# Altium PCB PCB_Emergencia.PcbDoc
Units mm, origin at the board's own origin, x right, y up, seen from the top; angles counter-clockwise.
Board outline 64.01 x 70.1 mm, 2 copper layers (Top Layer, Bottom Layer); 72 components, 52 nets, 238 pads, 47 vias.
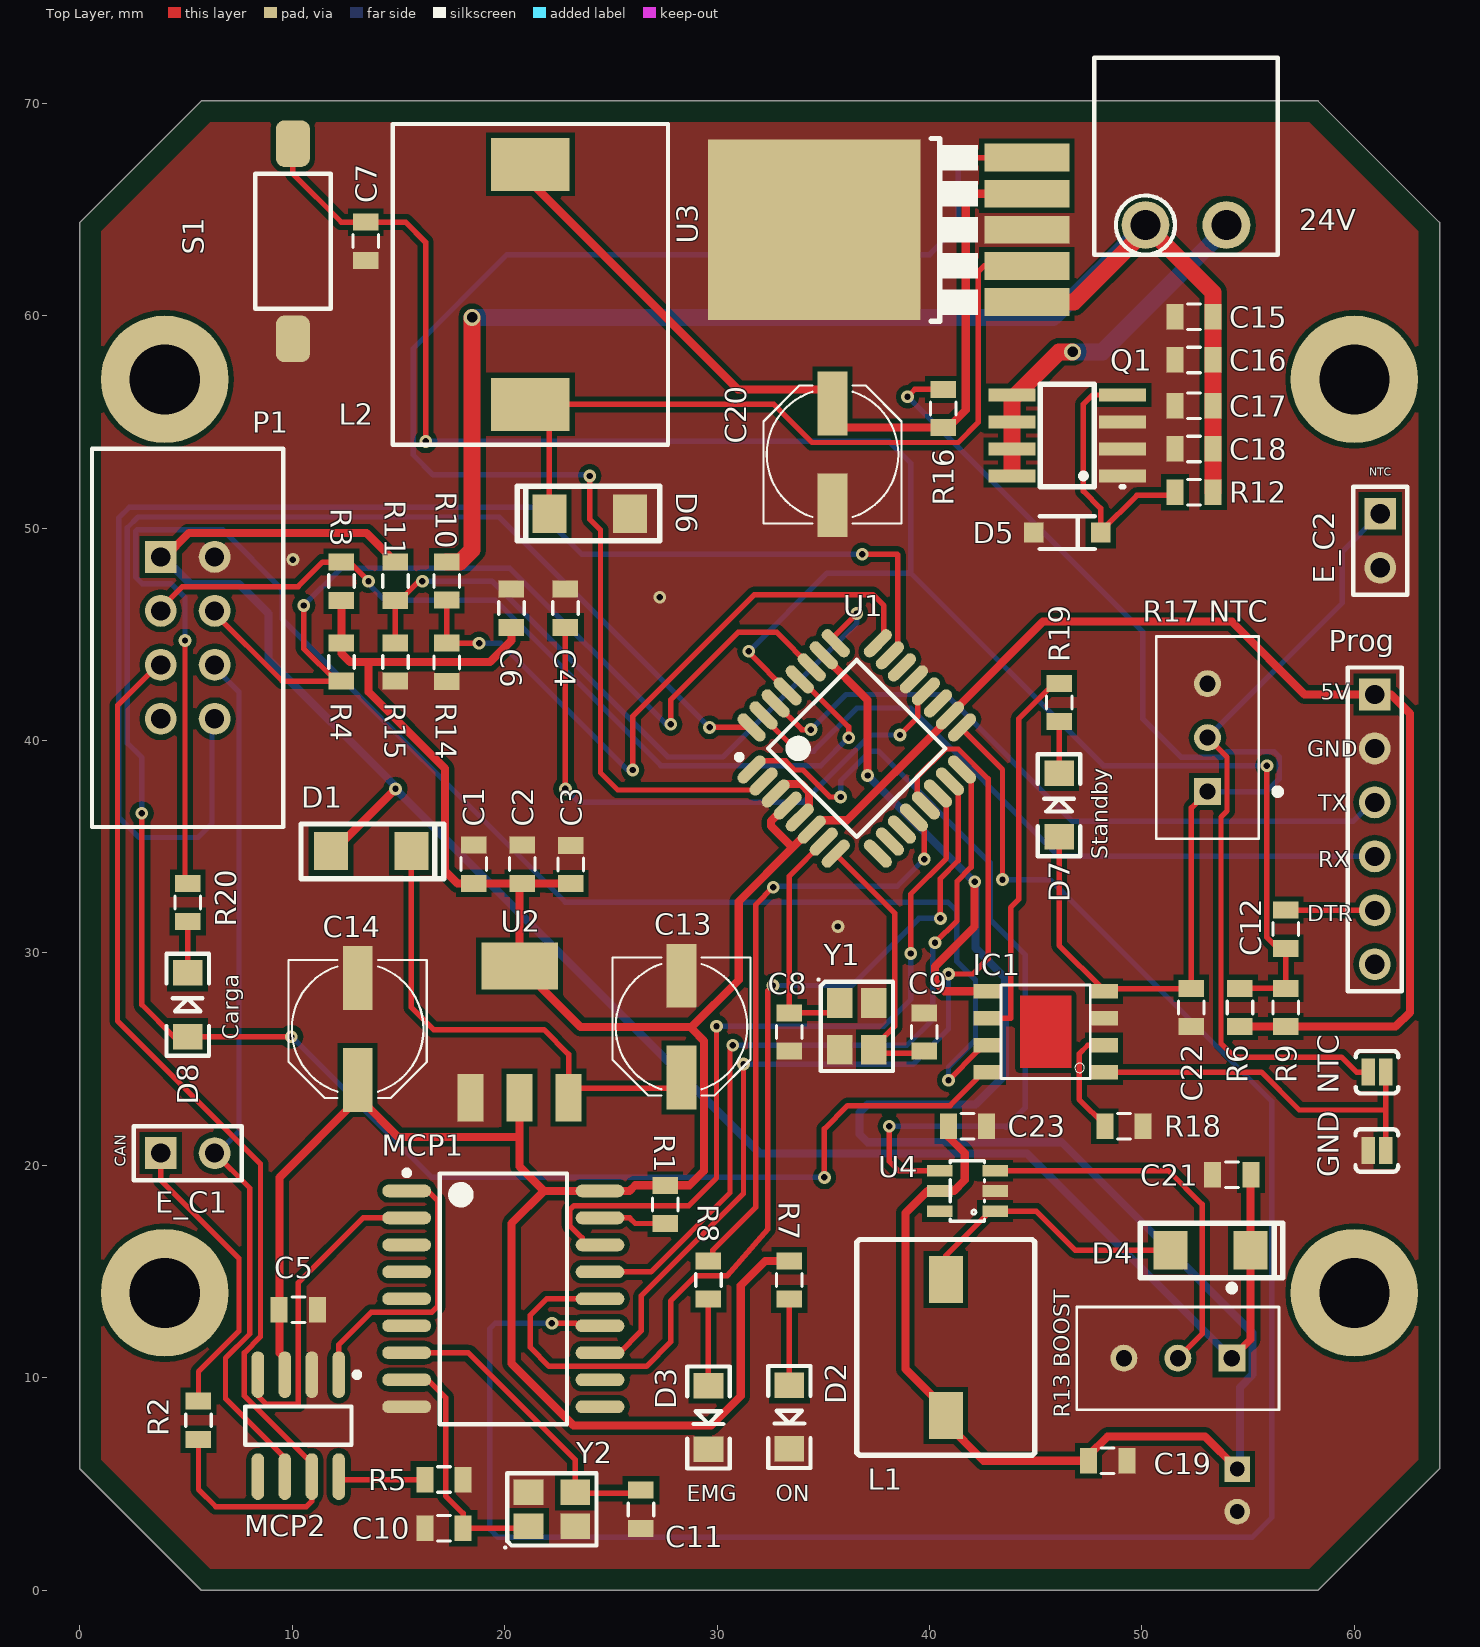
[diagram p0: Top Layer view]
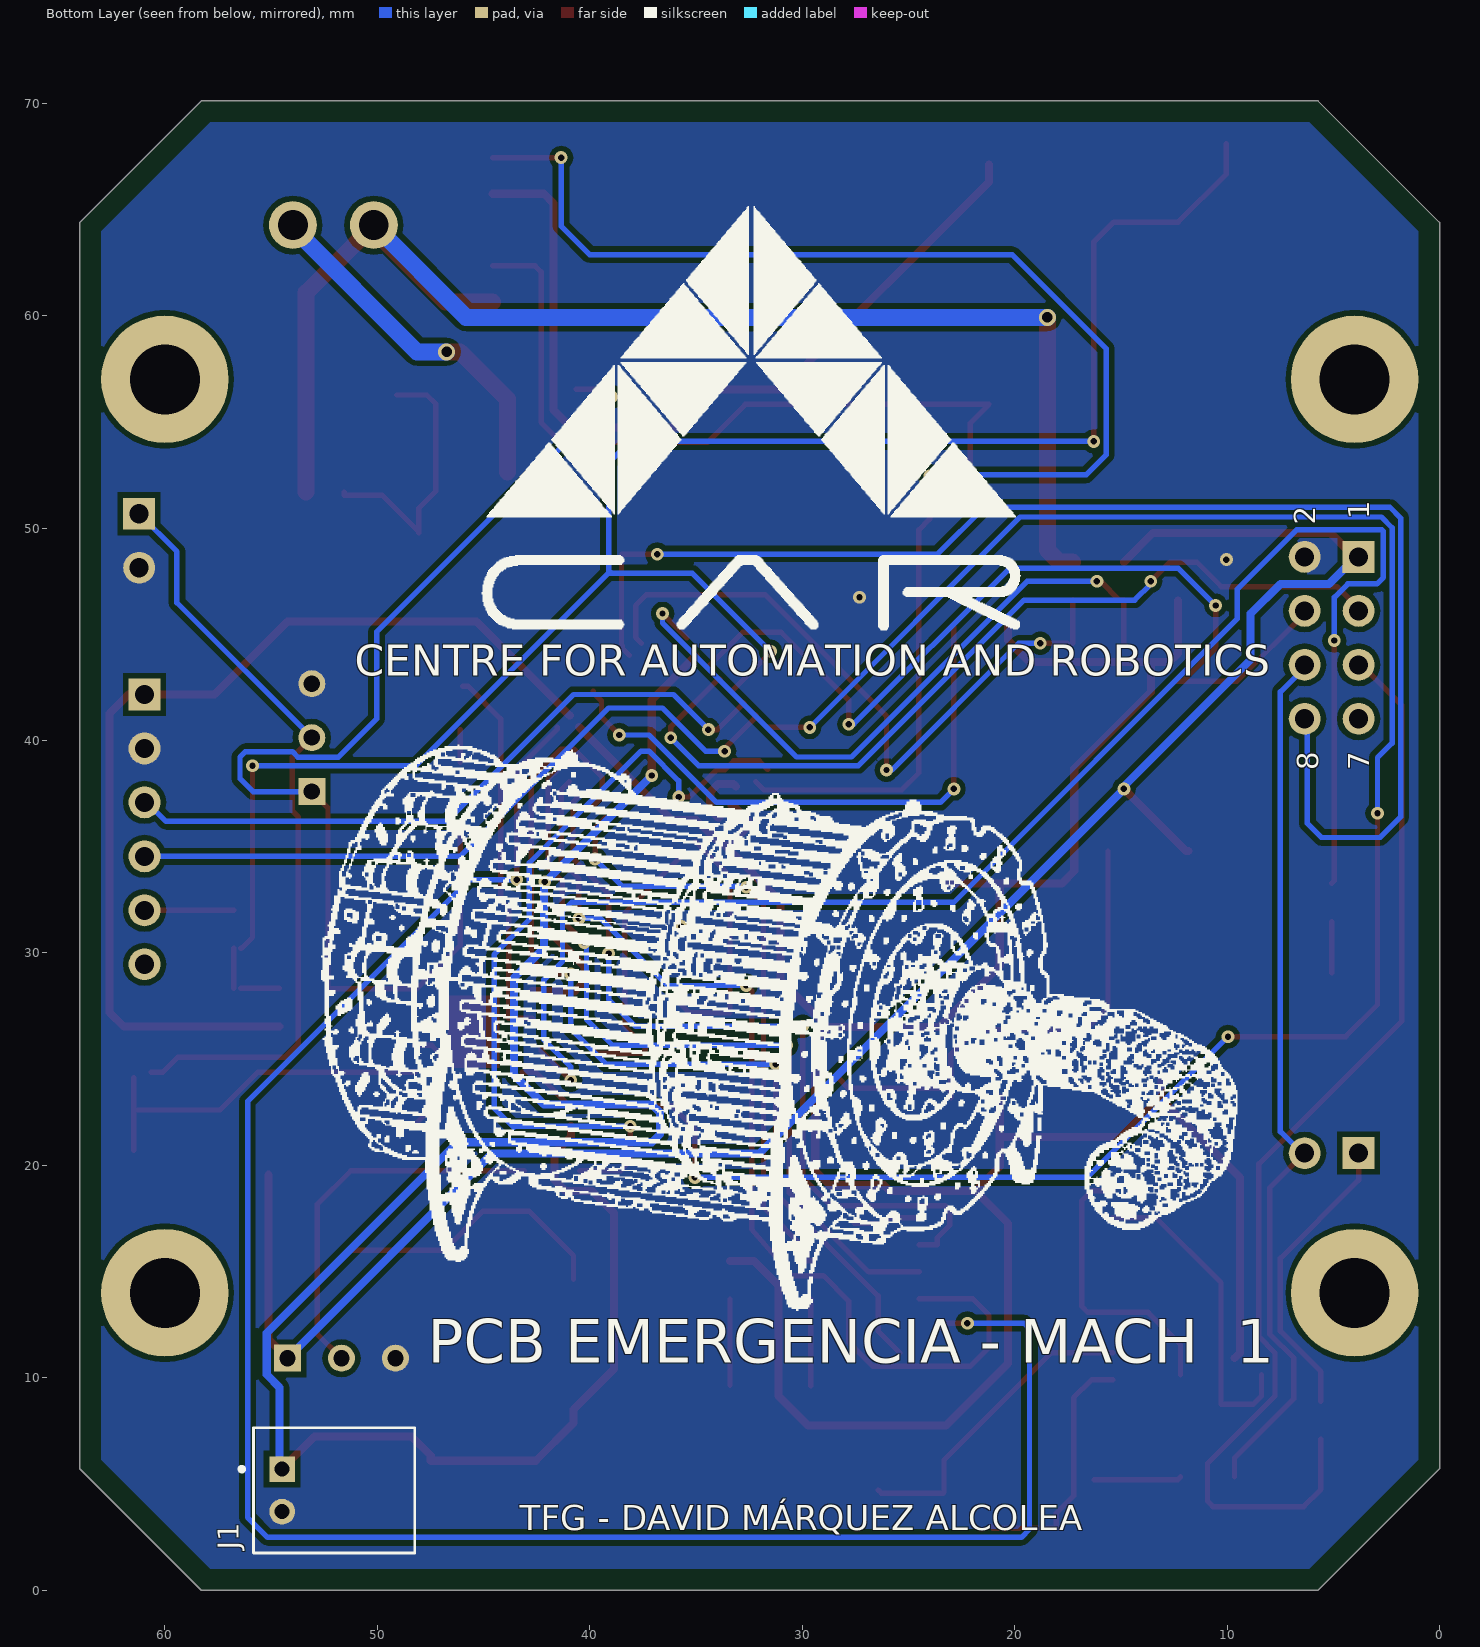
[diagram p1: Bottom Layer view, seen from below]
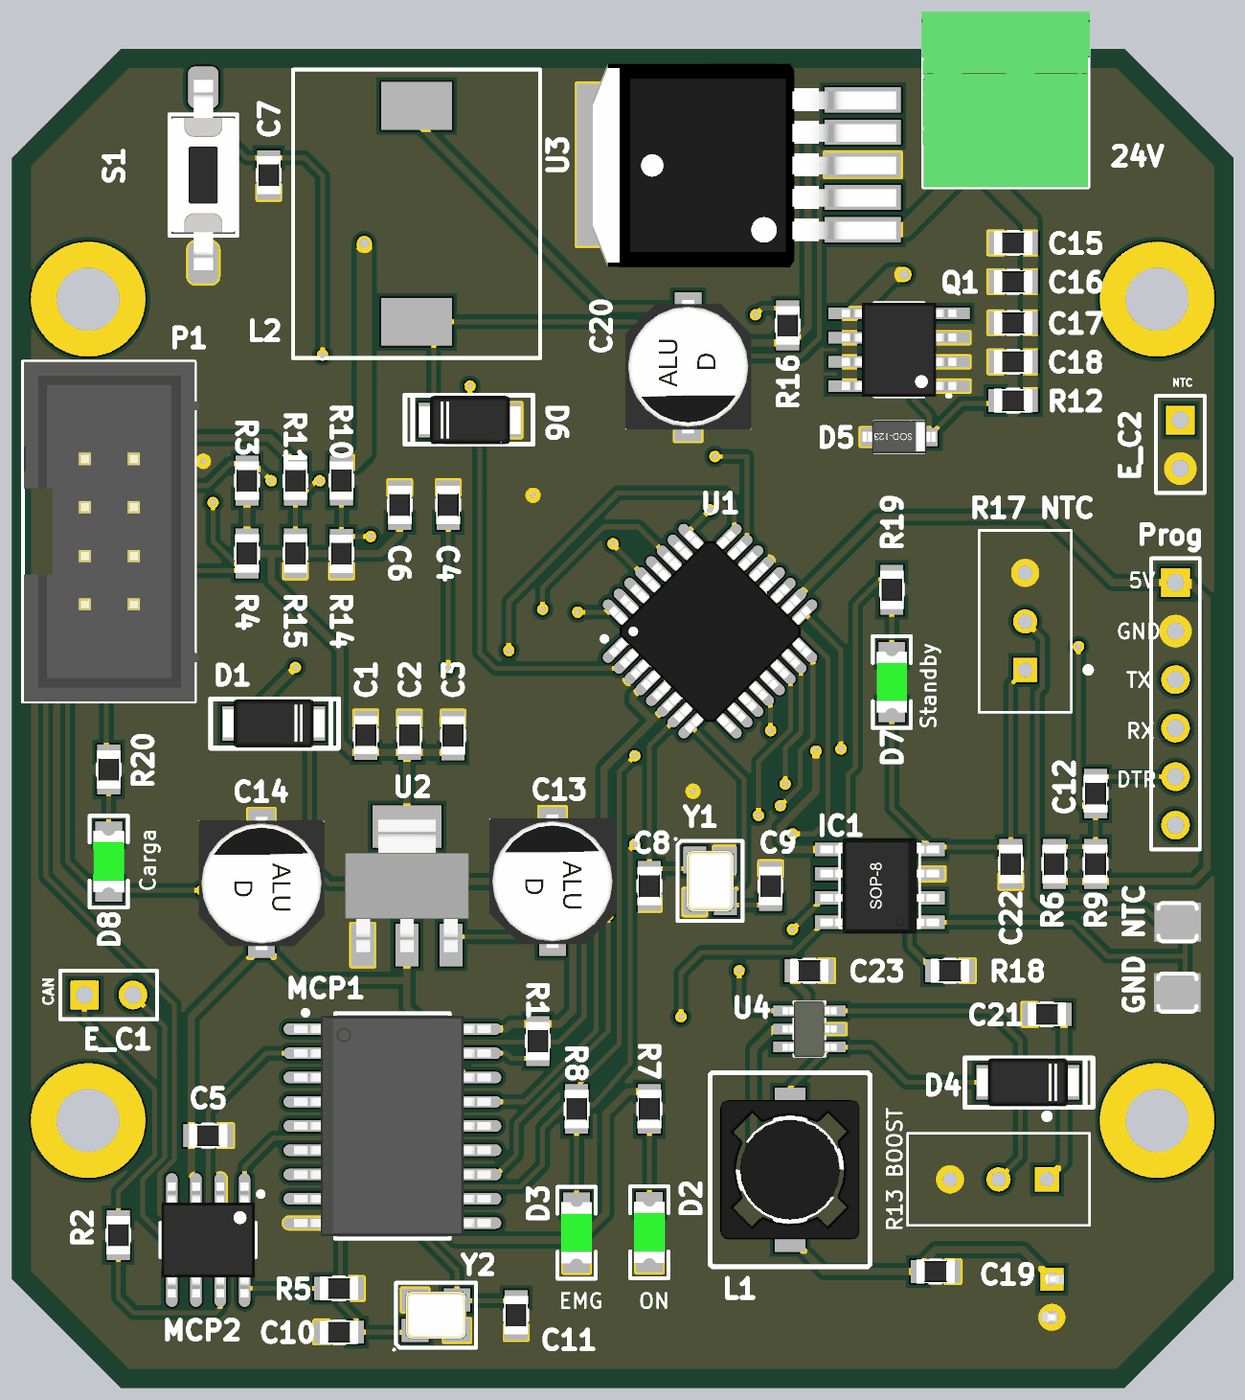
[diagram p2: 3D render of the assembled board from above, using the file's embedded part models]

## Layer stack, top to bottom
Top Solder: solder mask 0.0102, Solder Resist, Dk 3.5
Top Layer: signal copper 0.0356
Dielectric 1: dielectric 0.32, FR-4, Dk 4.8
Bottom Layer: signal copper 0.0356
Bottom Solder: solder mask 0.0102, Solder Resist, Dk 3.5

## Board outline
0,5.715 5.715,0 58.293,0 64.008,5.715 64.008,64.389 58.293,70.104 5.715,70.104 0,64.389

## Design rules (kind name [scope] priority, off if disabled: settings)
BoardOutlineClearance [All] p1: gap=1 ignorepadtopadclearanceinfootprint=FALSE
Clearance Clearance_2 [InNamedPolygon('GND TOP PLANE')] p1: gap=0.254 ignorepadtopadclearanceinfootprint=FALSE except(0: Arc-Hole Track-Hole SMDPad-Hole THPad-Hole Via-Hole Fill-Hole Poly-Hole Region-Hole Text-Hole)
Clearance Clearance_1 [InNamedPolygon('GND BOTTOM PLANE')] p2: gap=0.254 ignorepadtopadclearanceinfootprint=FALSE except(0: Arc-Hole Track-Hole SMDPad-Hole THPad-Hole Via-Hole Fill-Hole Poly-Hole Region-Hole Text-Hole)
Clearance Clearance_POWER [InNet('24V') vs InNet('GND')] p3: gap=0.381 ignorepadtopadclearanceinfootprint=FALSE
Clearance [All] p4: gap=0.152 ignorepadtopadclearanceinfootprint=FALSE
HoleSize [All] p1: absolutevalues=TRUE maxlimit=6.3 minlimit=0.3 maxpercent=80.000 minpercent=20.000
PlaneClearance [All] p1: clearance=5.016
PlaneConnect [All] p1: planeconnectstyle=Relief reliefexpansion=0.508 reliefentries=4 reliefconductorwidth=0.381 reliefairgap=-0.05
PolygonConnect [All] p1: connectstyle=Relief reliefconductorwidth=0.254 reliefentries=4 polygonreliefangle="90 Angle" airgapwidth=-0.05
RoutingVias RoutingVias_24V [InNet('24V')] p1: holewidth=0.5 width=0.8 viastyle="Through Hole" minholewidth=0.3 minwidth=0.6 maxholewidth=1 maxwidth=1.2
RoutingVias RoutingVias_GNDC [InNet('GNDC')] p2: holewidth=0.5 width=0.8 viastyle="Through Hole" minholewidth=0.3 minwidth=0.6 maxholewidth=1 maxwidth=1.2
RoutingVias [All] p3: holewidth=0.3 width=0.6 viastyle="Through Hole" minholewidth=0.3 minwidth=0.6 maxholewidth=1 maxwidth=1.2
SMDNeckDown [All] p1: percent=150.000
SolderMaskExpansion [All] p1: expansion=0.102
Width Width_24V [InNet('24V')] p1: maxlimit=0.889 minlimit=0.7 preferedwidth=0.8
Width Width_GNDC [InNet('GNDC')] p2: maxlimit=0.889 minlimit=0.6 preferedwidth=0.8
Width Width_GND [InNet('GND')] p3: maxlimit=0.508 minlimit=0.254 preferedwidth=0.381 checkconnectedcopper=TRUE
Width Width_9V [InNet('9V')] p4: maxlimit=0.508 minlimit=0.254 preferedwidth=0.381 checkconnectedcopper=TRUE
Width Width_5V [InNet('5V')] p5: maxlimit=0.381 minlimit=0.254 preferedwidth=0.381 checkconnectedcopper=TRUE
Width Width_3.7V [InNet('BAT')] p6: maxlimit=0.381 minlimit=0.254 preferedwidth=0.381 checkconnectedcopper=TRUE
Width Width_5VBuck [InNet('5VBUCK')] p7: maxlimit=0.381 minlimit=0.254 preferedwidth=0.381 checkconnectedcopper=TRUE
Width [All] p8: maxlimit=0.508 minlimit=0.254 preferedwidth=0.254
27 further rules are at their usual default settings.

## Components (designator, comment, footprint, x,y, rotation, side; value= is the part's Value field where it differs from the comment)
24V "20020110-D021A01LF" "FCI 06-381-2PIN" 52.07,67.564 r0 top (schematic designator 1)
C1 "CapacitorStandard 0603 ceramic capacitor, and 0.1\" leaded capacitor." 0805 18.542,34.174 r270 top
C2 "CapacitorStandard 0603 ceramic capacitor, and 0.1\" leaded capacitor." 0805 20.828,34.174 r270 top
C3 "CapacitorStandard 0603 ceramic capacitor, and 0.1\" leaded capacitor." 0805 23.114,34.163 r270 top
C4 "CapacitorStandard 0603 ceramic capacitor, and 0.1\" leaded capacitor." 0805 22.86,46.228 r270 top
C5 "CapacitorStandard 0603 ceramic capacitor, and 0.1\" leaded capacitor." 0805 10.287,13.208 r180 top
C6 "CapacitorStandard 0603 ceramic capacitor, and 0.1\" leaded capacitor." 0805 20.32,46.228 r270 top
C7 "CapacitorStandard 0603 ceramic capacitor, and 0.1\" leaded capacitor." 0805 13.462,63.5 r90 top
C8 "CapacitorStandard 0603 ceramic capacitor, and 0.1\" leaded capacitor." 0805 33.401,26.278 r90 top
C9 "CapacitorStandard 0603 ceramic capacitor, and 0.1\" leaded capacitor." 0805 39.751,26.278 r90 top
C10 "CapacitorStandard 0603 ceramic capacitor, and 0.1\" leaded capacitor." 0805 17.145,2.921 r0 top
C11 "CapacitorStandard 0603 ceramic capacitor, and 0.1\" leaded capacitor." 0805 26.416,3.81 r270 top
C12 "CapacitorStandard 0603 ceramic capacitor, and 0.1\" leaded capacitor." 0805 56.769,31.115 r270 top
C13 "47u" PANASONIC_D 28.321,26.53 r270 top
C14 "47u" PANASONIC_D 13.081,26.416 r270 top
C15 "CapacitorStandard 0603 ceramic capacitor, and 0.1\" leaded capacitor." 0805 52.451,59.944 r0 top
C16 "CapacitorStandard 0603 ceramic capacitor, and 0.1\" leaded capacitor." 0805 52.451,57.912 r0 top
C17 "CapacitorStandard 0603 ceramic capacitor, and 0.1\" leaded capacitor." 0805 52.451,55.753 r0 top
C18 "CapacitorStandard 0603 ceramic capacitor, and 0.1\" leaded capacitor." 0805 52.451,53.721 r0 top
C19 "CapacitorStandard 0603 ceramic capacitor, and 0.1\" leaded capacitor." 0805 48.387,6.096 r0 top
C20 "4.7u" PANASONIC_D 35.433,53.467 r90 top
C21 "CapacitorStandard 0603 ceramic capacitor, and 0.1\" leaded capacitor." 0805 54.229,19.558 r180 top
C22 "CapacitorStandard 0603 ceramic capacitor, and 0.1\" leaded capacitor." 0805 52.324,27.432 r270 top
C23 "CapacitorStandard 0603 ceramic capacitor, and 0.1\" leaded capacitor." 0805 41.783,21.844 r0 top
D1 "SS26FL" SS26FL 13.716,34.798 r180 top
D2 "LED Encendido" LED-1206 33.401,8.152 r270 top
D3 "LED Parada" LED-1206 29.591,8.128 r270 top
D4 "SS26FL" SS26FL 53.226,16.002 r180 top
D5 "13V Zener MM1Z13" SOD-123 46.482,49.784 r180 top
D6 "SS26FL" SS26FL 24.003,50.673 r0 top
D7 "LED Standby" LED-1206 46.101,36.957 r90 top
D8 "LED Carga" LED-1206 5.08,27.559 r90 top
E_C1 "Header 2" HDR1X2 3.81,20.574 r0 top
E_C2 "Header 2" HDR1X2 61.214,50.673 r270 top
GND "JUMPER-PAD-2-NC_BY_PASTE" PAD-JUMPER-2-NC_BY_PASTE_YES_SILK 61.055,20.701 r0 top (schematic designator JP2)
IC1 "TP4056" *SOP-8 45.466,26.289 r180 top
J1 "Conector JST" *JST_S2B-PH-K-S(LF)(SN) 54.483,4.699 r90 bottom
L1 "CDRH74" CDRH74 40.767,11.43 r90 top value=22uH
L2 "SMMS1360" "SMMS1360 - duplicate" 21.209,61.468 r90 top value=68uH
MCP1 "MCP2515T-I/SO" SOIC-SO18_N 19.939,13.716 r0 top
MCP2 "MCP2551T-I/SN" SOIC-SN8_N 10.287,7.747 r270 top
NTC "JUMPER-PAD-2-NC_BY_PASTE" PAD-JUMPER-2-NC_BY_PASTE_YES_SILK 61.067,24.384 r180 top (schematic designator JP1)
P1 "IDC2X4" IDC2X4 5.08,44.831 r270 top
Prog "Header 6" HDR1X6 60.96,42.164 r270 top (schematic designator Prog1)
Q1 "IRF7832TRPBF" SO-08 46.482,54.356 r90 top
R1 "ResistorBasic schematic elements and footprints for 0603, 1206, and PTH resistors." 0805 27.559,18.161 r270 top
R2 "ResistorBasic schematic elements and footprints for 0603, 1206, and PTH resistors." 0805 5.588,8.001 r90 top
R3 "ResistorBasic schematic elements and footprints for 0603, 1206, and PTH resistors." 0805 12.319,47.498 r270 top
R4 "ResistorBasic schematic elements and footprints for 0603, 1206, and PTH resistors." 0805 12.319,43.688 r90 top
R5 "ResistorBasic schematic elements and footprints for 0603, 1206, and PTH resistors." 0805 17.145,5.207 r180 top
R6 "ResistorBasic schematic elements and footprints for 0603, 1206, and PTH resistors." 0805 54.61,27.432 r270 top
R7 "ResistorBasic schematic elements and footprints for 0603, 1206, and PTH resistors." 0805 33.401,14.605 r90 top
R8 "ResistorBasic schematic elements and footprints for 0603, 1206, and PTH resistors." 0805 29.591,14.605 r90 top
R9 "ResistorBasic schematic elements and footprints for 0603, 1206, and PTH resistors." 0805 56.769,27.432 r90 top
R10 "ResistorBasic schematic elements and footprints for 0603, 1206, and PTH resistors." 0805 17.272,47.509 r90 top
R11 "ResistorBasic schematic elements and footprints for 0603, 1206, and PTH resistors." 0805 14.859,47.498 r90 top
R12 "20K" 0805 52.451,51.689 r0 top
"R13 BOOST" "3296W" 3296W 51.689,10.922 r270 top value=20k (schematic designator R13)
R14 "ResistorBasic schematic elements and footprints for 0603, 1206, and PTH resistors." 0805 17.272,43.677 r90 top
R15 "ResistorBasic schematic elements and footprints for 0603, 1206, and PTH resistors." 0805 14.859,43.688 r90 top
R16 "ResistorBasic schematic elements and footprints for 0603, 1206, and PTH resistors." 0805 40.64,55.626 r270 top
"R17 NTC" "3296W" 3296W 53.086,40.132 r180 top value=20k (schematic designator R17)
R18 "ResistorBasic schematic elements and footprints for 0603, 1206, and PTH resistors." 0805 49.149,21.844 r180 top
R19 "ResistorBasic schematic elements and footprints for 0603, 1206, and PTH resistors." 0805 46.101,41.783 r270 top
R20 "ResistorBasic schematic elements and footprints for 0603, 1206, and PTH resistors." 0805 5.08,32.374 r270 top
S1 "FSMSMTR" "TE FSMSMTR" 10.033,63.5 r0 top
U1 "ATmega328-AU" 32A_N 36.576,39.624 r45 top
U2 "NCP1117" SOT223 20.701,26.289 r0 top
U3 "LM2596S" LM2596S 34.577,64.037 r90 top
U4 "MT3608" *SOT23-6 41.783,18.796 r90 top
Y1 "16MHz" "NDK NX3225SA" 36.576,26.543 r270 top
Y2 "16MHz" "NDK NX3225SA" 22.225,3.81 r0 top

## Footprints (in the part's own frame and the unit in brackets; to place one, negate y for a bottom-side part, rotate by r counter-clockwise, add the part's x,y. Pads: shape width x height; smd on the part's side, far side on the other; paste and mask are expansions set on the pad)
32A_N [mm] "Thin QFP, 32-Leads, Body 7x7mm, Pitch 0.8mm, IPC Medium Density"
  oval 1.65x0.55 smd: 1(-4.2,2.8) 2(-4.2,2) 3(-4.2,1.2) 4(-4.2,0.4) 5(-4.2,-0.4) 6(-4.2,-1.2) 7(-4.2,-2) 8(-4.2,-2.8) 17(4.2,-2.8) 18(4.2,-2) 19(4.2,-1.2) 20(4.2,-0.4) 21(4.2,0.4) 22(4.2,1.2) 23(4.2,2) 24(4.2,2.8)
  oval 0.55x1.65 smd: 9(-2.8,-4.2) 10(-2,-4.2) 11(-1.2,-4.2) 12(-0.4,-4.2) 13(0.4,-4.2) 14(1.2,-4.2) 15(2,-4.2) 16(2.8,-4.2) 25(2.8,4.2) 26(2,4.2) 27(1.2,4.2) 28(0.4,4.2) 29(-0.4,4.2) 30(-1.2,4.2) 31(-2,4.2) 32(-2.8,4.2)
  silkscreen extent -4.32,-2.95 2.95,3.75, body extent -4.52,-4.53 4.5,4.5, height 1.15
0805 [mil]
  rect 31.5x47.24 smd: 1(-35.43,0) 2(35.43,0)
  silkscreen extent -12,-24 12,24, body extent -39,-25 39,25, height 20
3296W [mm]
  rect 1.268x1.268 hole 0.76: 1(0,2.54)
  round 1.268 hole 0.76: 2(0,0) 3(0,-2.54)
  silkscreen extent -3.4,-4.76 2.42,4.76, body extent -2.41,-4.76 2.42,4.77, height 11.55
*JST_S2B-PH-K-S(LF)(SN) [mm]
  rect 1.208x1.208 hole 0.7: 1(1,0)
  round 1.208 hole 0.7: 2(-1,0)
  silkscreen extent -2.95,-6.25 2.95,2, body extent -2.95,-6.2 2.95,1.4, height 4.8
*SOP-8 [mm]
  rect 1.3x0.7 smd: 1(-2.75,1.905) 2(-2.75,0.635) 3(-2.75,-0.635) 4(-2.75,-1.905) 5(2.75,-1.905) 6(2.75,-0.635) 7(2.75,0.635) 8(2.75,1.905)
  Top Layer region: -1.2,1.7 1.2,1.7 1.2,-1.7 -1.2,-1.7
  silkscreen extent -2.1,-2.2 2.1,2.2, body extent -3.11,-2.5 3.11,2.5, height 1.87
*SOT23-6 [mm]
  rect 0.55x1.2 smd: 1(-0.95,-1.3) 2(0,-1.3) 3(0.95,-1.3) 4(0.95,1.3) 5(0,1.3) 6(-0.95,1.3)
  silkscreen extent -1.42,-0.81 1.42,0.81, body extent -1.46,-1.42 1.46,1.42, height 1.1
CDRH74 [mm]
  rect 2.2x1.6 smd: 1(-3.2,0) 2(3.2,0)
  silkscreen extent -5.08,-4.19 5.08,4.19, body extent -3.65,-3.65 3.65,3.65, height 4.49
"FCI 06-381-2PIN" [mm] "FCI Pluggable Terminal Block"
  round 2.25 hole 1.4: 1(-1.905,-3.302) 2(1.905,-3.302)
  silkscreen extent -4.32,-4.7 4.32,4.57, body extent -4.4,-4.7 4.4,4.5, height 7.6
HDR1X2 [mm] "Connector; Header; 2 Position"
  rect 1.5x1.5 hole 0.9: 1(0,0)
  round 1.5 hole 0.9: 2(2.54,0)
  silkscreen extent -1.27,-1.27 3.81,1.27
HDR1X6 [mm] "Connector; Header; 6 Position"
  rect 1.5x1.5 hole 0.9: 1(0,0)
  round 1.5 hole 0.9: 2(2.54,0) 3(5.08,0) 4(7.62,0) 5(10.16,0) 6(12.7,0)
  silkscreen extent -1.27,-1.27 13.97,1.27
IDC2X4 [mm] "IDC Connector 2x4"
  rect 1.5x1.5 hole 0.9: 1(-3.81,-1.27)
  round 1.5 hole 0.9: 2(-3.81,1.27) 3(-1.27,-1.27) 4(-1.27,1.27) 5(1.27,-1.27) 6(1.27,1.27) 7(3.81,-1.27) 8(3.81,1.27)